# Altium PCB Shield_v3.1.PcbDoc
Units mil, origin at the board's own origin, x right, y up, seen from the top; angles counter-clockwise.
Board outline 3190 x 4930 mil, 2 copper layers (Top Layer, Bottom Layer); 76 components, 64 nets, 322 pads, 75 vias.
Unrouted connection lines stored in the file: 34.
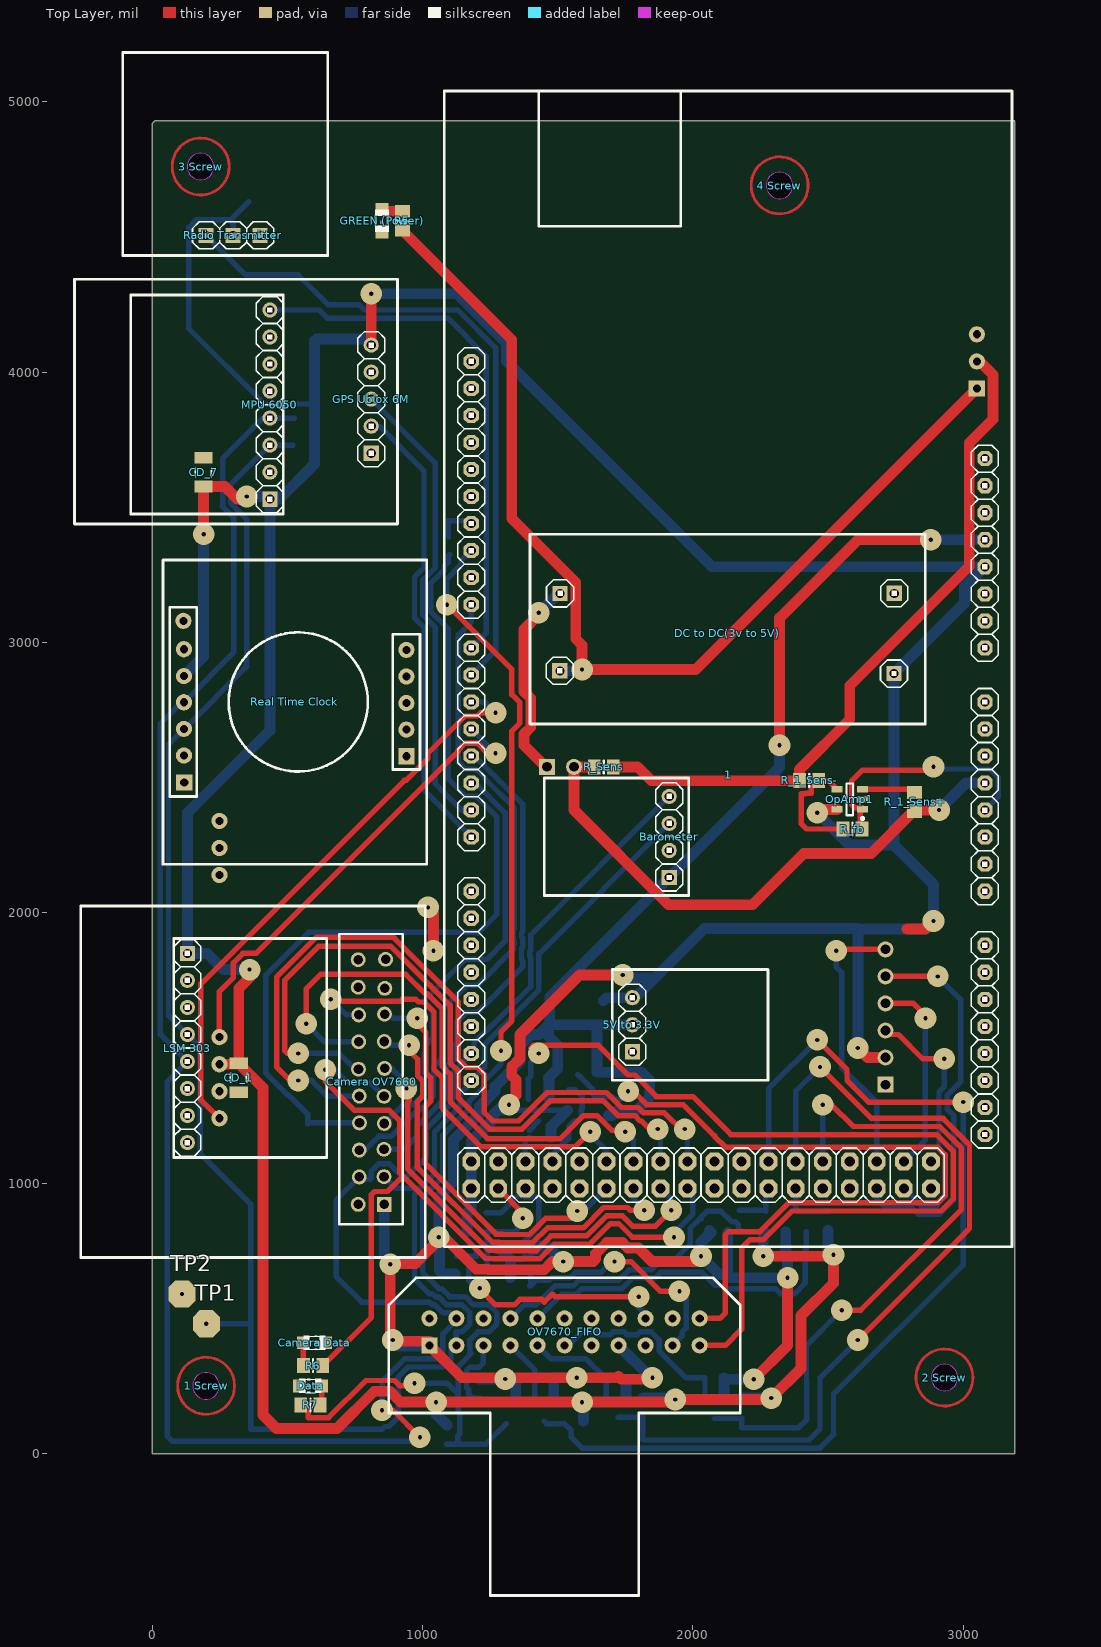
[diagram p0: Top Layer view]
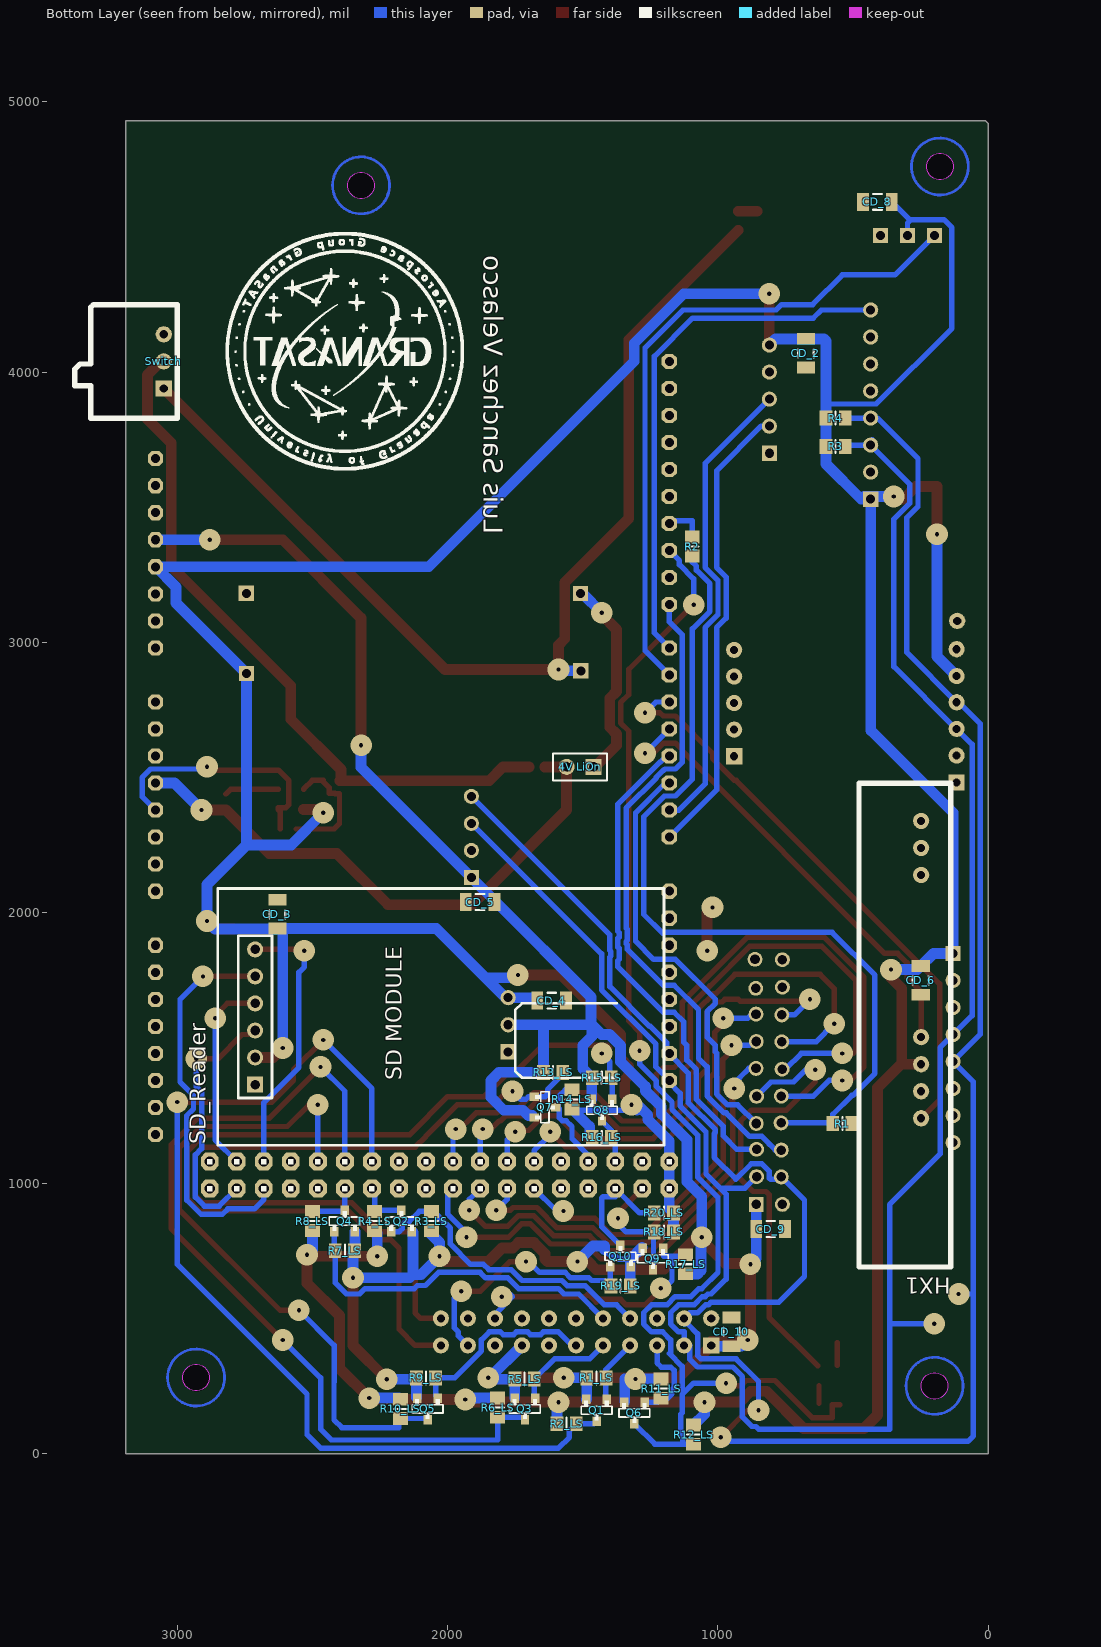
[diagram p1: Bottom Layer view, seen from below]

## Layer stack, top to bottom
Top Solder: solder mask 0.4, Solder Resist, Dk 3.5
Top Layer: signal copper 1.4
Dielectric1: dielectric 12.6, FR-4, Dk 4.8
Bottom Layer: signal copper 1.4
Bottom Solder: solder mask 0.4, Solder Resist, Dk 3.5

## Board outline
0,0 0,4920 10,4930 3190,4930 3190,0

## Design rules (kind name [scope] priority, off if disabled: settings)
AssemblyTestPointUsage [All] p1 off:
AssemblyTestpoint [All] p1 off: testpointundercomponent=TRUE minsize=40 maxsize=100 preferedsize=60 minholesize=0 maxholesize=40 preferedholesize=32 testpointgrid=1 usegrid=TRUE gridtolerance=0.01 allowsidetop=TRUE allowsidebottom=TRUE
Clearance [All] p1: gap=10
ComponentClearance [All] p1 off: gap=10 collisioncheckmode=3 verticalgap=100000 showdistances=FALSE
FabricationTestPointUsage TestPointUsage [All] p1 off: valid=0 allowmultiple=FALSE
FabricationTestpoint Testpoint [All] p1 off: side=3 testpointundercomponent=TRUE minsize=40 maxsize=100 preferedsize=60 minholesize=0 maxholesize=40 preferedholesize=32 testpointgrid=1 allowsidetop=TRUE allowsidebottom=TRUE usegrid=TRUE gridtolerance=0.01
Height [All] p1 off: minheight=0 maxheight=1000 prefheight=500
HoleSize [All] p1 off: absolutevalues=TRUE maxlimit=100 minlimit=1 maxpercent=80.000 minpercent=20.000
HoleToHoleClearance [All] p1 off: gap=10 allowstackedmicrovias=TRUE
LayerPairs [All] p1 off: enforce=TRUE
MatchedLengths I2C_length_diff [InNetClass('I2C')] p1: tolerance=500 checknetsindiffpair=FALSE checkdiffpairvsdiffpair=TRUE checkxsignals=TRUE checkothers=TRUE // I know it's useless, but i wanted to learn
MatchedLengths SD_TIME [All] p2 off: tolerance=1000 checknetsindiffpair=FALSE checkdiffpairvsdiffpair=TRUE checkxsignals=TRUE checkothers=TRUE
MinimumSolderMaskSliver [All] p1 off: minsoldermaskwidth=10
NetAntennae [All] p1 off: netantennaetolerance=0
PolygonConnect [All] p1: connectstyle=Relief reliefconductorwidth=10 reliefentries=4 polygonreliefangle="90 Angle" airgapwidth=10
RoutingVias RoutingVias_1 [(IsVia Or IsArc And Not InPoly) And IsFree Or IsVia And InAnyNet Or IsVia And InAnyComponent] p1: holewidth=28 width=50 viastyle="Through Hole" minholewidth=28 minwidth=50 maxholewidth=28 maxwidth=50
RoutingVias [All] p2: holewidth=15.75 width=80 viastyle="Through Hole" minholewidth=15.75 minwidth=80 maxholewidth=15.75 maxwidth=80
SilkToBoardRegionClearance [All] p1 off:
SilkToSilkClearance [All] p1 off: silktosilkclearance=10
SilkToSolderMaskClearance SilkscreenOverComponentPads [IsPad] p1 off: minsilkscreentomaskgap=10 clearancetoexposedcopper=TRUE
SolderMaskExpansion [All] p1: expansion=4
UnRoutedNet [All] p1 off:
UnpouredPolygon [All] p1 off:
Width [All] p1: maxlimit=40 minlimit=10 preferedwidth=20 checkconnectedcopper=TRUE
14 further rules are at their usual default settings.

## Classes and differential pairs
component class Modules2_v3: CD_6 CD_8 "LSM 303" "MPU 6050"
component class Leds: "Camera Data" Data "GREEN (Power)" R5 R6 R7
component class CurrentMeasure: OpAmp1 R_1_Sens+ R_1_Sens- R_fb
net class SD: SD_MOSI SD_MOSO SD_SCK
net class GPS: RX_GPS TX_GPS
net class CAMERA_CONN: HREF_CAM PCLK_CAM VSYNC_CAM XCLK_CAM
net class CAMERA_DATA: D2_CAM D3_CAM D4_CAM D5_CAM D6_CAM D7_CAM D8_CAM D9_CAM
net class POWER: 3.3V 3V 5V -3V GND
net class I2C: SCL SDA
component class Voltage_Level_Translator_v3: Q1 Q2 Q3 Q4 Q5 Q6 Q7 Q8 Q9 Q10 R1_LS R2_LS R3_LS R4_LS R5_LS R6_LS R7_LS R8_LS R9_LS R10_LS R11_LS R12_LS R13_LS R14_LS R15_LS R16_LS R17_LS R18_LS R19_LS R20_LS
component class Power_micro_v3: 1 "1 Screw" "2 Screw" "3 Screw" "4 Screw" "4V LiOn" "5V to 3.3V" "DC to DC(3v to 5V)" R1 R2 R3 R4 R_Sens Switch TP1 TP2
component class Modules_v3: Barometer CD_1 CD_2 CD_3 CD_4 CD_5 CD_7 "GPS Ublox 6M" HX1 "Radio Transmitter" "Real Time Clock" SD_Reader
component class Cameras_v3: "Camera OV7660" CD_9 CD_10 OV7670_FIFO

## Components (designator, comment, footprint, x,y, rotation, side; value= is the part's Value field where it differs from the comment)
1 "Arduino_Mega" "Footprint-ArduinoMega-headers - named" 1180,4040 r270 top
"1 Screw" "M3 screw" M3SCREW 200,250 r90 top
"2 Screw" "M3 screw" M3SCREW 2930,280 r0 top
"3 Screw" "M3 screw" M3SCREW 180,4760 r90 top
"4 Screw" "M3 screw" M3SCREW 2320,4690 r0 top
"4V LiOn" "Battery" "BAT-2 - duplicate" 1510,2540 r0 bottom
"5V to 3.3V" "ReguladorASM1117" "1X03 - ReguladorASM1117 - horizontal" 1775,1585 r270 top
Barometer "BMP180" "1X08 - BMP180" 1910,2280 r270 top
"Camera Data" "LED4" CHIP-LED0805_GREEN 600,410 r270 top
"Camera OV7660" "camera_OV7660" "CAMERA_OV7660 - high - Pins" 810,1400 r270 top
CD_1 "" C1206 320,1390 r90 top
CD_2 "Cap Semi" C1206 675,4070 r90 bottom
CD_3 "Cap Semi" C1206 2630,1995 r270 bottom
CD_4 "Cap Semi" C1206 1615,1675 r0 bottom
CD_5 "Cap Semi" C1206 1880,2040 r180 bottom
CD_6 "Cap Semi" C1206 250,1750 r90 bottom
CD_7 "Cap Semi" C1206 190,3630 r270 top
CD_8 "Cap Semi" C1206 410,4630 r180 bottom
CD_9 "Cap Semi" C1206 805,830 r0 bottom
CD_10 "Cap Semi" C1206 950,450 r270 bottom
Data "LED4" CHIP-LED0805_GREEN 585,250 r90 top
"DC to DC(3v to 5V)" "Step_up_Mt3608" Step_up_Mt3608 2785,3080 r90 top
"GPS Ublox 6M" "GPS_header_5" "1X08 - GPS_ublox - High" 810,3900 r270 top
"GREEN (Power)" "LED4" CHIP-LED0805_GREEN 850,4560 r180 top
HX1 "HX1-144.8" HX1-144.8 438.43,2440 r270 bottom
"LSM 303" "LSM303DLHC" "1X08 - LSM303" 150,1500 r90 top
"MPU 6050" "MPU6050" "1X08 - MPU6050" 435,4230 r270 top
OpAmp1 "MCP6H01T" SOT95P245X110-5N 2580,2420 r180 top
OV7670_FIFO "OV7670_FIFO" OV7670_FIFO_SIDE_PINS 975,550 r180 top
Q1 "BSS123" SOT-23 1450,160 r180 bottom
Q2 "BSS123" SOT-23 2170,860 r0 bottom
Q3 "BSS123" SOT-23 1715,165 r180 bottom
Q4 "BSS123" SOT-23 2380,860 r0 bottom
Q5 "BSS123" SOT-23 2075,165 r180 bottom
Q6 "BSS123" SOT-23 1310,150 r180 bottom
Q7 "BSS123" SOT-23 1640,1280 r90 bottom
Q8 "BSS123" SOT-23 1430,1270 r180 bottom
Q9 "BSS123" SOT-23 1241.5,720 r180 bottom
Q10 "BSS123" SOT-23 1360,730 r0 bottom
R1 "4.7k" 0805 540,1220 r0 bottom
R1_LS "4.7k" 0805 1450,280 r0 bottom
R2 "4.7k" 0805 1095,3355 r90 bottom
R2_LS "4.7k" 0805 1560,110 r0 bottom
R3 "4.7k" 0805 565,3725 r0 bottom
R3_LS "4.7k" 0805 2060,860 r270 bottom
R4 "4.7k" 0805 565,3830 r0 bottom
R4_LS "4.7k" 0805 2270,860 r270 bottom
R5 "4.7k" 0805 925,4560 r90 top
R5_LS "4.7k" 0805 1715,275 r0 bottom
R6 "4.7k" 0805 595,325 r0 top
R6_LS "4.7k" 0805 1815,170 r90 bottom
R7 "4.7k" 0805 585,180 r0 top
R7_LS "4.7k" 0805 2380,750 r180 bottom
R8_LS "4.7k" 0805 2500,860 r270 bottom
R9_LS "4.7k" 0805 2080,280 r0 bottom
R10_LS "4.7k" 0805 2175,165 r90 bottom
R11_LS "4.7k" 0805 1210,240 r90 bottom
R12_LS "4.7k" 0805 1090,70 r90 bottom
R13_LS "4.7k" 0805 1610,1410 r0 bottom
R14_LS "4.7k" 0805 1540,1310 r270 bottom
R15_LS "4.7k" 0805 1430,1390 r0 bottom
R16_LS "4.7k" 0805 1430,1170 r0 bottom
R17_LS "4.7k" 0805 1120,700 r270 bottom
R18_LS "4.7k" 0805 1200,820 r180 bottom
R19_LS "4.7k" 0805 1360,620 r180 bottom
R20_LS "4.7k" 0805 1200,890 r180 bottom
R_1_Sens+ "4.7k" 0805 2820,2410 r90 top
R_1_Sens- "4.7k" 0805 2430,2490 r0 top
R_fb "4.7k" 0805 2590,2310 r0 top
R_Sens "4.7k" 0805 1670,2540 r0 top
"Radio Transmitter" "FS1000A_radio" "1X03 - FS1000A_radio" 300,4505 r0 top
"Real Time Clock" "Tiny_RTC" TinyRTC 940,2580 r180 top
SD_Reader "SD_Reader" SD_module_front 1200,2090 r0 bottom
Switch "SW HDR1x3" SWITCH3x1 3080,3840 r90 bottom
TP1 "TestPoint" TestPoint 200,480 r0 top
TP2 "TestPoint" TestPoint 110,590 r0 top

## Footprints (in the part's own frame and the unit in brackets; to place one, negate y for a bottom-side part, rotate by r counter-clockwise, add the part's x,y. Pads: shape width x height; smd on the part's side, far side on the other; paste and mask are expansions set on the pad)
"1X03 - FS1000A_radio" [mm]
  rect 1.422x1.422 hole 0.85: DATA(-2.565,0.025) GND(2.515,0.025) VCC(-0.025,0.025)
  silkscreen extent -10.4,-1.87 8.88,17.2, body extent -10.68,-2.48 9.33,17.52, height 11.22
"1X03 - ReguladorASM1117 - horizontal" [mm]
  rect 1.422x1.422 hole 0.85: GND(2.515,0.025)
  round 1.422 hole 0.85: VIN(-2.565,0.025) VOUT(-0.025,0.025)
  silkscreen extent -5.22,-1.87 5.17,12.77, body extent -5,-1.45 5,12.55, height 6.06
"1X08 - BMP180" [mil]
  rect 56x56 hole 33.46: 3V3(149.21,2.28)
  round 56 hole 33.46: GND(49.21,2.28) SCL(-50.79,2.28) SDA(-150.79,2.28)
  silkscreen extent -219,-461 216,75, body extent -206,-447 208,65, height 298
"1X08 - GPS_ublox - High" [mil]
  round 56 hole 33.46: GND(-100,0) RX(100,0) TX(0,0) VCC(-200,0)
  rect 56x56 hole 33.46: PPS(200,0)
  silkscreen extent -444,-1097 462,97, body extent -449,-1109 469,101, height 456
"1X08 - LSM303" [mil]
  round 56 hole 33.46: DRDY(-350,20) GND(150,20) INT1(-250,20) INT2(-150,20) SCL(50,20) SDA(-50,20) VIN(250,20)
  rect 56x56 hole 33.46: VCC(350,20)
  silkscreen extent -405,-495 405,70, body extent -405,-492 400,79, height 277
"1X08 - MPU6050" [mil]
  round 56 hole 33.46: AD0(100,0) GND(600,0) INT(0,0) SCL(500,0) SDA(400,0) XCL(200,0) XDA(300,0)
  rect 56x56 hole 33.46: VCC(700,0)
  silkscreen extent -55,-515 755,50, body extent -44,-553 756,47, height 267
0805 [mm]
  rect 1.2x1.4 smd: 1(-0.9,0) 2(0.9,0)
  silkscreen extent 0,-0.6 0,0.6, body extent -1,-0.62 1,0.63, height 0.78
"BAT-2 - duplicate" [mm] "Battery; 2 Leads"
  rect 1.5x1.5 hole 0.9: GND(-1.27,0)
  round 1.5 hole 0.9: VCC(1.27,0)
  silkscreen extent -2.54,-1.27 2.54,1.27, body extent -6.8,-51.9 27.2,-1.9, height 5.08
C1206 [mm] "Chip Capacitor, Body 3.2x1.6mm, IPC High Density"
  rect 1.1x1.7 smd: 1(-1.35,0) 2(1.35,0)
  silkscreen extent -0.4,-0.75 0.4,0.75, body extent -1.7,-0.9 1.7,0.9, height 1.3
"CAMERA_OV7660 - high - Pins" [mm] "Connector; Header; 3x2 Position"
  rect 1.4x1.4 hole 0.9: 3V3(12.15,1.225)
  round 1.4 hole 0.9: D0(-5.65,-1.175) D1(-5.725,1.25) D2(-3.125,-1.175) D3(-3.15,1.225) D4(-0.55,-1.2) D5(-0.625,1.25) D6(1.975,-1.125) D7(2,1.2) GND(12.15,-1.225) HREF(7.05,-1.125) PCLK(4.55,1.225) PWDN(-8.15,1.275) RSV1(-8.25,-1.225) RSV2(-10.875,1.35) RSV3(-10.835,-1.225) SCL(9.55,1.2) SDA(9.575,-1.125) VSYNC(6.975,1.2) XCLK(4.5,-1.1)
  silkscreen extent -15.88,-27.3 17.14,5.08, body extent -15.2,-26.95 16.8,5.05, height 30.69
CHIP-LED0805_GREEN [mm]
  rect 1.2x1.2 smd: 1(0,-1.05) 2(0,1.05)
  silkscreen extent -0.68,-1.05 0.68,1.05, body extent -0.62,-1.01 0.62,1.01, height 1.1
"Footprint-ArduinoMega-headers - named" [mil]
  oct 56x56 hole 33.46: 3V3(660,1900) 5V_TL(760,1900) A0(1260,1900) A1(1360,1900) A2(1460,1900) A3(1560,1900) A4(1660,1900) A5(1760,1900) A6(1860,1900) A7(1960,1900) A8(2160,1900) A9(2260,1900) A10(2360,1900) A11(2460,1900) A12(2560,1900) A13(2660,1900) A14(2760,1900) A15(2860,1900) AREF(200,0) D0(1760,0) D1(1660,0) D2(1560,0) D3(1460,0) D4(1360,0) D5(1260,0) D6(1160,0) D7(1060,0) D8(900,0) D9(800,0) D10(700,0) D11(600,0) D12(500,0) D13(400,0) D14(1960,0) D15(2060,0) D16(2160,0) D17(2260,0) D18(2360,0) D19(2460,0) D20(2560,0) D21(2660,0) EMPTY(360,1900) GND_TLB(960,1900) GND_TLT(860,1900) GND_TR(300,0) IOREF(460,1900) RESET(560,1900) SCL(0,0) SDA(100,0) VIN(1060,1900)
  oct 66x66 hole 37.4: 5V_BB(3060,0) 5V_BT(2960,0) D22(2960,100) D23(3060,100) D24(2960,200) D25(3060,200) D26(2960,300) D27(3060,300) D28(2960,400) D29(3060,400) D30(2960,500) D31(3060,500) D32(2960,600) D33(3060,600) D34(2960,700) D35(3060,700) D36(2960,800) D37(3060,800) D38(2960,900) D39(3060,900) D40(2960,1000) D41(3060,1000) D42(2960,1100) D43(3060,1100) D44(2960,1200) D45(3060,1200) D46(2960,1300) D47(3060,1300) D48(2960,1400) D49(3060,1400) D50(2960,1500) D51(3060,1500) D52(2960,1600) D53(3060,1600) GND_BB(3060,1700) GND_BT(2960,1700)
  silkscreen extent -1000,-100 3275,2000, body extent -988,-98 3262,2002, height 620
HX1-144.8 [mil]
  round 60 hole 30: 1(100,190) 2(200,190) 3(300,190) 4(900,190) 5(1000,190) 6(1100,190) 7(1200,190)
  silkscreen extent -40,-40 1750,300, body extent 0,5 1693,202, height 571
M3SCREW [mil]
  round 60 hole 100.22: 0(0,0)
  Top Layer circle w10: c0.46,1 r105.39
  Bottom Layer circle w10: c0.46,1 r105.39
  Keep-Out Layer board cut-out: -48.75,1 -48.75,-3.85 -46.86,-13.35 -43.15,-22.31 -37.76,-30.37 -30.91,-37.23 -22.85,-42.61 -13.89,-46.32 -4.38,-48.21 0.46,-48.21 5.31,-48.21 14.82,-46.32 23.77,-42.61 31.83,-37.23 38.69,-30.37 44.07,-22.31 47.78,-13.35 49.68,-3.85 49.68,1 49.68,5.85 47.78,15.35 44.07,24.31 38.69,32.37 31.83,39.23 23.77,44.61 14.82,48.32 5.31,50.21 0.46,50.21 -4.38,50.21 -13.89,48.32 -22.85,44.61 -30.91,39.23 -37.76,32.37 -43.15,24.31 -46.86,15.35 -48.75,5.85 -48.75,1
  body extent -125,-125 125,125, height 16
OV7670_FIFO_SIDE_PINS [mil]
  rect 60x60 hole 30: 3V3(-50,150)
  round 60 hole 30: D0(-650,50) D1(-650,150) D2(-550,50) D3(-550,150) D4(-450,50) D5(-450,150) D6(-350,50) D7(-350,150) GND(-50,50) HREF(-250,50) OE(-950,50) PWDN(-750,50) RCK(-850,50) RRST(-1050,50) RST(-750,150) SIOC(-150,150) SIOD(-150,50) STR(-850,150) VSYNC(-250,150) WR(-950,150) WRST(-1050,150)
  silkscreen extent -1200,-100 100,1075, body extent -1180,0 80,1077, height 1417
SD_module_front [mm]
  round 1.5 hole 0.9: CLK(38.41,8.26) CS(38.41,5.72) MOSI(38.41,10.8) MOSO(38.41,13.34) VCC(38.41,15.88)
  rect 1.5x1.5 hole 0.9: GND(38.41,18.42)
  silkscreen extent 0,0 41.91,24.13, body extent 0,-0.06 42,23.94, height 6.79
SOT95P245X110-5N [mm] "SOT23, 5-Leads, Body 2,90x2,45mm, Pitch 0,95mm, IPC Medium Density"
  rect 1x0.6 smd: 1(-1.2,0.95) 2(-1.2,0) 3(-1.2,-0.95) 4(1.2,-0.95) 5(1.2,0.95)
  silkscreen extent -1.33,-1.5 0.3,1.92, body extent -0.7,-1.5 0.7,1.5, height 1.1
SOT-23 [mil]
  rect 31x35 smd: 1(1,-40) 2(-37,40) 3(39,40)
  silkscreen extent -56,-37 58,37, body extent -57,-55 57,55, height 51
Step_up_Mt3608 [mm]
  rect 1.422x1.422 hole 0.85: VIN+(-4.69,32.45) VIN-(2.575,32.425) VOUT+(-4.95,1.05) VOUT-(2.59,1.025)
  silkscreen extent -9.7,-1.87 8.13,35.25, body extent -9.55,-1.7 7.95,35.3, height 10.87
SWITCH3x1 [mil]
  rect 60x60 hole 30: 1(100,-30)
  round 60 hole 30: 2(200,-30) 3(300,-30)
  silkscreen extent -10,-80 410,300, body extent 3,-36 397,257, height 98
TestPoint [mil]
  oct 100x100 smd: 1(0,0)
TinyRTC [mil]
  round 60 hole 30: BAT(825,-500) DS2(822.83,-1.97) GND(0,-392.72) GND2(822.83,-395.08) SCL(0,-195.87) SCL2(822.83,-100.39) SDA(0,-97.44) SDA2(822.83,-198.82) VCC(0,-294.29) VCC2(822.83,-295.67)
  rect 60x60 hole 30: DS(0,1) SQ(821.85,98.42)
  silkscreen extent -75,-725 900,400, body extent -80,-708 905,395, height 480

## Part data
"4V LiOn": "Multicell Battery"
"Camera Data" Data "GREEN (Power)": library part LED3, "Typical BLUE SiC LED"
CD_1: library part "Cap Semi", "Capacitor (Semiconductor SIM Model)"
CD_2 CD_3 CD_4 CD_5 CD_6 CD_7 CD_8 CD_9 CD_10: "Capacitor (Semiconductor SIM Model)"
"LSM 303": library part LSMsimple, "Header, 8-Pin"
"MPU 6050": library part MPUsimple, "Header, 8-Pin"
OV7670_FIFO: library part OV7670_FIFO_FRONT_PINS
Q1 Q2 Q3 Q4 Q5 Q6 Q7 Q8 Q9 Q10: library part MOSFET-N_MOD, "N-Channel MOSFET"
R1 R1_LS R2 R2_LS R3 R3_LS R4 R4_LS R5 R5_LS R6 R6_LS R7 R7_LS R8_LS R9_LS R10_LS R11_LS R12_LS R13_LS R14_LS R15_LS R16_LS R17_LS R18_LS R19_LS R20_LS R_1_Sens+ R_1_Sens- R_fb R_Sens: library part 0805RESISTOR
SD_Reader: "SD module reader"

## Via types
v1: diameter 80, hole 15.75, Top Layer to Bottom Layer, 75 vias

## Nets (pads, with @x,y where several pads share a name; then routed paths per layer and width w, separated by ;. In a path a pad name is that pad's centre, name@x,y a point inside that pad or via, vN(x,y) a via of type N, cw(c..) or ccw(c..) an arc to the next point about the centre after c; other vN are vias at no path point)
3.3V: 1.3V3 "5V to 3.3V.VOUT" "Camera OV7660.3V3" Barometer.3V3 CD_5.2 CD_9.2 CD_10.2 OV7670_FIFO.3V3 OV7670_FIFO.RST Q1.2 Q2.2 Q3.2 Q4.2 Q5.2 Q6.2 Q7.2 Q8.2 Q9.2 Q10.2 R1_LS.2 R3_LS.2 R5_LS.2 R7_LS.2 R9_LS.2 R11_LS.2 R13_LS.2 R15_LS.2 R17_LS.2 R19_LS.2 | length 10615.3
  Top Layer w40: v1@880,425 v1(880,700) ; v1@883.15,703.15 973.15,703.15 v1@1070,800 ; v1@890,415 1025,415 OV7670_FIFO.3V3 1145,280 ; v1(1060,800) v1@1070,800 ; 1147.78,280 v1(1570,280) 1720,280 1725,285 1735,275 v1@1850,275 ; v1(2030,730) 2010,710 1848.99,710 1798.99,760 1758.99,760 1738.99,780 1681.01,780 1640,738.99 1640,718.99 1631.01,710 v1(1520,710) 1480,710 1450,680 1241.98,680 1240.49,681.49 1198.51,681.49 1080,800 v1@1070,800 ; v1(2225,275) 2350,400 v1(2350,650) ; v1(2320,2620) 2320,3090 2610,3380 v1(2880,3380)
  Bottom Layer w20: 1324.57,718.43 1366.15,718.43 1375.22,727.5 1393.93,727.5 1420,753.57
  Bottom Layer w40: 858.23,921.65 858.23,721.77 v1(880,700) ; v1(890,420) 913.15,396.85 CD_10.2 1021.85,396.85 OV7670_FIFO.3V3 ; v1(1060,800) 1060,951.01 1114.14,1005.15 1114.14,1160.59 1210,1256.45 1210,1283.15 1268,1341.15 1268,1357.04 1360,1449.04 1360,1508.99 1401.01,1550 1430,1550 1465.43,1585.43 ; v1@1062.44,771.48 1062.44,677.56 1075.43,664.57 R17_LS.2 ; R11_LS.2 v1(1305.43,275.43) 1344.57,275.43 Q6.2@1344.57,192.43 ; Q9.2@1280.75,762.25 1324.57,718.43 1324.57,650 ; 1420,753.57 1420,767.5 1462.5,767.5 v1(1520,710) ; R15_LS.2 1500,1424.57 1500,1508.99 1465.43,1543.56 1465.43,1585.43 ; Q8.2 R15_LS.2@1467,1388.43 ; Q1.2 1485.43,201.57 R1_LS.2 v1(1570,280) ; 1645.43,1581.42 R13_LS.2 1810,1410 1840,1380 1840,1317.78 1792.22,1270 1721.01,1270 1701,1250 Q7.2@1687,1250 ; OV7670_FIFO.RST 1845,280 v1(1850,280) ; R5_LS.2 v1@1845,275 ; Q3.2 R5_LS.2@1752,273.43 ; 1775.98,1585.98 1474.02,1585.98 1470,1590 ; R3_LS.2 2067.07,817.5 2030,780.43 v1(2030,730) 2098.5,661.5 2128.5,661.5 ; Q5.2@2115.43,208.43 R9_LS.2 2120.43,275 v1(2225,275) ; Q2.2@2128.5,817.5 2128.5,661.5 ; v1(2320,2620) 2320,2538.5 Barometer.3V3 1824.17,2042.68 1470,1688.5 1470,1590 ; R7_LS.2@2340,745.43 2350,735.43 v1(2350,650) 2140,650 2128.5,661.5 ; Q4.2 2343,751.57 R7_LS.2 ; v1(2880,3380) 1.3V3 ; 1465.43,1585.43 1470,1590
3V: "DC to DC(3v to 5V).VIN+" R5.1 Switch.1 | length 3885.3
  Top Layer w40: R5.1 1330,4119.57 1330,3458.23 1566.42,3221.8 1566.42,3013.58 1590,2990 v1(1590,2900) 2010,2900 Switch.1 ; 1507.44,2895.35 1514.53,2888.27
  Bottom Layer w40: 1507.44,2895.35 1585.35,2895.35 v1(1590,2900)
5V: 1.5V_BB 1.5V_BT 1.5V_TL "5V to 3.3V.VIN" "DC to DC(3v to 5V).VOUT+" "GPS Ublox 6M.VCC" "LSM 303.VCC" "MPU 6050.VCC" "Radio Transmitter.VCC" "Real Time Clock.VCC2" CD_1.2 CD_2.2 CD_3.2 CD_4.2 CD_6.2 CD_7.2 CD_8.2 HX1.5 OpAmp1.5 R2_LS.2 R3.2 R4.2 R4_LS.2 R6_LS.2 R8_LS.2 R10_LS.2 R12_LS.2 R14_LS.2 R16_LS.2 R18_LS.2 R20_LS.2 SD_Reader.VCC | length 19080.9
  Top Layer w40: v1(190,3400) CD_7.2 268.15,3576.85 315,3530 325,3540 v1(350,3540) ; HX1.5 CD_1.2@323.15,1440 ; v1(360,1790) 360,1760 320,1720 CD_1.2 CD_1.2@323.15,1440 ; 810,4100 v1(810,4290) ; v1(1320,1290) 1320,1300 1345,1325 1345,1382.78 1330,1397.78 1330,1431.01 1360,1461.01 1360,1550 1580,1770 v1(1740,1770) ; v1(2260,730) 2514.57,730 v1(2520,735.43) 2520,630 2400,510 2400,315 v1(2290,205) 2285,200 v1(1935,200) 1925,210 1905,190 v1(1590,190) v1(1050,190) 918.99,190 878.99,230 821.01,230 683.45,92.44 460,92.44 410,142.44 410,1353.15 CD_1.2@323.15,1440 ; v1(2460,2370) 2472.6,2382.6 OpAmp1.5 ; v1(2610,1500) 2645.2,1464.8 SD_Reader.VCC ; 2792.2,1940.2 2860.2,1940.2 v1(2890,1970)
  Bottom Layer w20: 299.02,4505.98 299.02,4550.98 285.86,4564.14 ; CD_8.2 290.99,4564.14 285.86,4564.14 ; 600.43,3882 415.12,3882 135,4162.12 135,4535 164.14,4564.14 285.86,4564.14 ; v1@1300,1270 1535.43,1270 R14_LS.2
  Bottom Layer w40: 117.17,2875.67 190,2948.5 v1(190,3400) ; v1(350,3540) 460,3540 470,3530 600.43,3660.43 R3.2 R4.2 600.43,3882 ; v1(360,1790) 263.15,1790 CD_6.2 203.15,1850 130,1850 130,2370 435,2675 435,3530 ; 600.43,3890 600.43,4115.43 608.15,4123.15 CD_2.2 786.85,4123.15 810,4100 ; v1(810,4290) 1126.57,4290 1310,4106.57 1310,4040 2070,3280 1.5V_TL 3005,3205 3005,3146.46 2743.66,2885.12 2743.66,2251.34 ; v1(1050,190) 1050,145.43 R12_LS.2 ; R18_LS.2 R20_LS.2 1180,905.43 1.5V_BB 1.5V_BT 1180,1155.74 1260,1235.74 1260,1251.93 1298.07,1290 v1(1320,1290) v1@1300,1270 ; R16_LS.2@1474.5,1170 1474.5,1209.07 R14_LS.2@1535.43,1270 ; v1(1590,190) 1590,170 1595.43,164.57 R2_LS.2@1595.43,120 ; CD_4.2 1679.13,1685.98 1775.98,1685.98 1785.98,1685.98 1860,1760 ; v1(1740,1770) 1750,1760 1860,1760 ; R6_LS.2 v1@1929.57,205.43 ; R10_LS.2@2179.57,205 v1(2290,205) ; v1(2260,730) 2260,814.57 R4_LS.2@2265.43,820 ; v1(2460,2370) 2578.66,2251.34 2743.66,2251.34 ; v1@2500,755.43 R8_LS.2 ; v1(2610,1500) CD_3.2@2610,1921.85 ; CD_3.2@2610,1941.85 2041.85,1941.85 1860,1760 ; CD_3.2@2633.35,1940.2 2860.2,1940.2 v1(2890,1970) 2890,2105 2743.66,2251.34
-3V: "4V LiOn.GND" "DC to DC(3v to 5V).VIN-" | length 754.6
  Top Layer w20: v1@1430,3102.95 v1(1430,3110)
  Top Layer w40: v1@1430,3102.95 1375,3047.95 1375,2818.85 1400,2793.85 1400,2686.15 1375,2661.15 1375,2620 1455,2540
  Bottom Layer w20: 1501.38,3181.38 1508.42,3181.38
  Bottom Layer w40: v1(1430,3110) 1501.38,3181.38
D0_L: OV7670_FIFO.D0
D1_L: OV7670_FIFO.D1
D2_CAM: 1.D30 "Camera OV7660.D0" | length 1721.2
  Top Layer w20: v1(660,1680) 640,1680 632.95,1672.95 918.1,1672.95 925.15,1680 974.85,1680 984.85,1670 1004.85,1670 1042,1632.85 1042,1420.44 1071.97,1390.46 1071.97,1278.03 1215,1135 1565,1135 v1(1620,1190)
  Bottom Layer w20: v1(660,1680) 717.56,1622.44 763.74,1622.44 ; v1(1620,1190) 1620,1180 1680,1120 1.D30
D2_L: OV7670_FIFO.D2
D3_CAM: 1.D31 "Camera OV7660.D1" | length 1538.3
  Top Layer w20: v1(980,1610) 980,1590 1012,1558 1012,1408.01 1030,1390.01 1030,1302.72 1010,1282.72 1010,1072.22 1270.72,811.49 1294.34,811.49 1295.83,810 1394.85,810 1454.85,870 v1@1570,870 ; v1@1570,874.06 1571.73,875.79 v1(1571.73,897)
  Bottom Layer w20: 874.61,1625.39 890,1610 v1(980,1610) ; v1(1571.73,897) 1597,897 1600,900 1.D31
D3_H: 1.D46 Q5.1 R10_LS.1 | length 2456.4
  Top Layer w20: v1(2480,1290) 2513,1290 2593.28,1209.72 2912.92,1209.72 2993,1129.64 2993,903 2620,530 v1(2550,530)
  Bottom Layer w20: Q5.1@2078.57,129.57 R10_LS.1 ; R10_LS.1@2180,130 2180,95.47 2391.3,95.47 2420.31,124.48 2420.31,265 2420,265.31 2420,400 v1(2550,530) ; 1.D46 v1(2480,1290)
D3_L: OV7670_FIFO.D3 Q5.3 R9_LS.1 | length 718
  Bottom Layer w20: OV7670_FIFO.D3 1540,400 1590,450 1645.71,450 1655.71,440 1694.29,440 1704.29,450 1745.71,450 1755.71,440 1794.29,440 1804.29,450 1845.71,450 1875,420.71 1875,379.29 1974.29,280 R9_LS.1 Q5.3@2044.57,213.57
D4_CAM: 1.D32 "Camera OV7660.D2" | length 2334.1
  Top Layer w20: v1(570,1590) 570,1720 622.36,1772.36 742.07,1772.36 937.64,1772.36 1010,1700 1017.28,1700 1072,1645.28 1072,1432.86 1102,1402.86 1102,1302.86 1239.86,1165 1510.15,1165 1595.15,1250 1644.85,1250 1700,1194.85 1765.15,1194.85 1740,1220 1737.78,1220 1717.78,1200 1727.78,1190 v1(1750,1190)
  Bottom Layer w20: v1(570,1590) 636.97,1523.03 763.74,1523.03 ; v1(1750,1190) 1730,1190 1740,1200 1780,1160 1.D32
D4_H: 1.D45 Q4.1 R8_LS.1 | length 193.4
  Bottom Layer w20: Q4.1 1.D45@2381,979 ; Q4.1@2385.57,895.43 R8_LS.1
D4_L: OV7670_FIFO.D4 Q4.3 R7_LS.1 | length 1296.6
  Bottom Layer w20: OV7670_FIFO.D4 1515,590 1569.71,590 1589.71,610 1737.28,610 1777.28,650 1860,650 1880,670 2033.43,670 2081.93,621.5 2111.93,621.5 2123.43,610 2305.15,610 2325.15,590 2374.85,590 2415.43,630.58 R7_LS.1 ; R7_LS.1@2419,753.57 Q4.3
D5_CAM: 1.D33 "Camera OV7660.D3" | length 1675.5
  Top Layer w20: v1(950,1510) 950,1490 982,1458 982,1395.58 1000,1377.58 1000,1320 980,1300 980,1059.79 1258.29,781.49 1281.91,781.49 1283.41,780 1407.28,780 1462.28,835 1594.58,835 1669.58,910 1757.99,910 1767.99,900 v1(1820,900)
  Bottom Layer w20: 870,1524.02 884.02,1510 v1(950,1510) ; 1.D33 1780,940 v1(1820,900)
D5_H: 1.D44 Q3.1 R6_LS.1 | length 3188.2
  Top Layer w20: v1(2470,1430) 2660.28,1239.72 2925.34,1239.72 3023,1142.06 3023,833 v1(2610,420)
  Bottom Layer w20: Q3.1@1723.57,134.57 R6_LS.1 1815,50 2430,50 2470,90 2470,280 v1(2610,420) ; 1.D44 2380,1340 v1(2470,1430)
D5_L: OV7670_FIFO.D5 Q3.3 R5_LS.1 | length 372.8
  Bottom Layer w20: OV7670_FIFO.D5 1475,350 1604.57,350 R5_LS.1 Q3.3@1679.57,208.57
D6_CAM: 1.D34 "Camera OV7660.D4" | length 2692.4
  Top Layer w20: v1(540,1480) 500,1480 490,1490 490,1750 615.71,1875.71 882.85,1875.71 1028.56,1730 1029.71,1730 1102,1657.71 1102,1445.29 1132,1415.29 1132,1315.29 1247.29,1200 1367.28,1200 1472.78,1305.5 1667.22,1305.5 1722.72,1250 1784.85,1250 1804.85,1230 1810,1230 1840,1200 v1(1870,1200) ; 1.D34 1.D34@1880,1084.85
  Bottom Layer w20: v1(540,1480) 691.65,1480 750,1421.65 762.76,1421.65 ; v1(1870,1200) 1870,1174.85 1880,1184.85 1.D34
D6_H: 1.D43 Q2.1 R4_LS.1 | length 183.1
  Bottom Layer w20: Q2.1 R4_LS.1@2265.43,900 ; R4_LS.1 2270,970 1.D43
D6_L: OV7670_FIFO.D6 Q2.3 R3_LS.1 | length 1125.3
  Bottom Layer w20: OV7670_FIFO.D6 1375,550 1420,550 1490,620 1557.28,620 1577.28,640 1724.85,640 1764.85,680 1847.57,680 1867.57,700 1914.85,700 1990,775.15 1990,834.03 2024.16,868.19 2030,868.19 2030,874.03 2051.4,895.43 R3_LS.1 2104.57,895.43 2142.5,857.5 2156.78,857.5 2168.5,845.78 2168.5,831.5 2180,820 Q2.3
D7_CAM: 1.D35 "Camera OV7660.D5" | length 1722.3
  Top Layer w20: v1@940,1360 950,1350 950,1305.76 ; 945,1300.76 945,1052.36 1245.87,751.49 1269.48,751.49 1270.98,750 1419.71,750 1474.71,805 1607.01,805 1682.01,880 1737.99,880 1777.99,840 1860,840 v1(1920,900)
  Bottom Layer w20: 859.21,1424.61 885.39,1424.61 920,1390 940,1370 v1(940,1350) ; 1.D35 1920,940 v1(1920,900)
D7_H: 1.D42 Q1.1 R2_LS.1 | length 3759.6
  Top Layer w20: v1(2460,1530) 2570,1420 2570,1380 2650,1300 v1(3000,1300)
  Bottom Layer w20: Q1.1 1459,110 R2_LS.1 1550,84.57 1550,60 1590,20 2470,20 2520,70 2520,220 3000,700 v1(3000,1300) ; 1.D42 2280,1350 v1(2460,1530)
D7_L: OV7670_FIFO.D7 Q1.3 R1_LS.1 | length 238.6
  Bottom Layer w20: OV7670_FIFO.D7 1414.57,310.43 R1_LS.1 1414.57,203.57 Q1.3
D8_CAM: 1.D36 "Camera OV7660.D6" | length 2982.7
  Top Layer w20: v1(540,1380) 510,1380 460,1430 460,1762.43 607.42,1909.85 891.13,1909.85 ; 895.28,1905.71 896.42,1905.71 1132,1670.13 1132,1457.72 1161.72,1428 1202.28,1428 1228,1402.28 1228,1261.72 1259.72,1230 1354.85,1230 1460.35,1335.5 1679.65,1335.5 1735.15,1280 1797.28,1280 1817.28,1260 1894.85,1260 1970,1184.85 v1(1970,1200)
  Bottom Layer w20: v1(540,1380) 589.24,1380 648.1,1321.14 764.61,1321.14 765.71,1322.24 ; v1(1970,1200) 1980,1190 1.D36
D9_CAM: 1.D37 "Camera OV7660.D7" R6.2 | length 3130
  Top Layer w20: R6.2 631.86,325 810.67,503.81 810.67,957.5 822.38,969.21 869.7,969.21 925.42,1024.94 ; v1(640,1420) 640,1376.6 746.6,1270 746.99,1270.4 875.96,1270.4 915,1231.35 915,1039.94 1233.44,721.49 1257.06,721.49 1258.55,720 1432.13,720 1487.13,775 1619.44,775 1694.44,850 1725.56,850 1775.56,800 v1(1930,800) ; 857.24,1321.26 868.74,1321.26
  Bottom Layer w20: v1(640,1420) 674.09,1420 720,1374.09 804.41,1374.09 857.24,1321.26 ; v1(1930,800) 1930,816.46 2000,886.46 2000,960 1.D37
DATA_RADIO: 1.D6 "Radio Transmitter.DATA" | length 2500.6
  Bottom Layer w20: 199.02,4505.98 345,4360 540,4360 650,4250 765.15,4250 785.15,4230 1130,4230 1270,4090 1270,2970 1.D6 1.D6@1180,2890
ENAB: 1.D4 HX1.4 | length 1748.6
  Top Layer w20: HX1.4 248.43,1708.43 300,1760 300,1814.85 335.15,1850 384.14,1850 1132,2597.86 1132,2602.28 1157.72,2628 1202.28,2628 1240.28,2590 v1(1270,2590)
  Bottom Layer w20: 1.D4 v1(1270,2590)
GND: 1.GND_BB 1.GND_TLB 1.GND_TLT "5V to 3.3V.GND" "Camera Data.2" "Camera OV7660.GND" "Camera OV7660.PWDN" "DC to DC(3v to 5V).VOUT-" "GPS Ublox 6M.GND" "GREEN (Power).2" "LSM 303.GND" "MPU 6050.GND" "Radio Transmitter.GND" "Real Time Clock.GND2" Barometer.GND CD_1.1 CD_2.1 CD_3.1 CD_4.1 CD_5.1 CD_6.1 CD_7.1 CD_8.1 CD_9.1 CD_10.1 Data.2 HX1.1 HX1.3 HX1.6 OpAmp1.2 OV7670_FIFO.GND OV7670_FIFO.PWDN R1.1 SD_Reader.GND | length 182.4
  Top Layer w40: v1(1020,2020) 1040,2000 v1(1040,1860)
  Bottom Layer w40: v1(1020,2020) v1@1030,2010
H_TX: 1.D5 HX1.7 | length 2149
  Top Layer w20: HX1.7 180,1308.43 180,1737.28 932.72,2490 939.28,2490 1020,2570.72 1020,2590.28 1157.72,2728 1202.28,2728 1214.28,2740 v1(1270,2740)
  Bottom Layer w20: 1.D5 1230,2780 v1(1270,2740)
HREF_CAM: 1.D8 "Camera OV7660.HREF" | length 2456
  Bottom Layer w20: 765.71,1122.44 787.44,1122.44 809.68,1144.68 809.68,1145.09 837.9,1173.31 883.31,1173.31 970,1260 977.28,1260 1040.15,1322.87 1040.15,1430.15 1072,1462 1072,1642.28 1161.72,1732 1202.28,1732 1335.86,1865.57 1335.86,1881.64 1340,1885.78 1340,1893.65 1335.86,1897.79 1335.86,1939.21 1340,1943.36 1340,2387.57 1228,2499.57 1228,2502.28 1202.28,2528 1199.57,2528 1195.57,2532 1157.72,2532 1132,2557.72 1132,3028 1180,3076 1.D8
HREF_L: OV7670_FIFO.HREF
INT: 1.D7 "MPU 6050.INT" | length 1972.3
  Bottom Layer w20: 435,4230 617.57,4230 647.57,4200 1093.43,4200 1235,4058.43 1235,3035 1.D7
Net1_D11: 1.D11 R2.2 | length 134.3
  Bottom Layer w20: R2.2 1095.43,3390.87 1095.43,3450 1.D11@1170,3450
"NetCamera Data_1": "Camera Data.1" R6.1 | length 84.1
  Top Layer w20: R6.1@558.66,325.91 558.66,410
NetData_1: Data.1 R7.2 | length 64.1
  Top Layer w20: R7.2@626.34,185.91 Data.1
"NetGREEN (Power)_1": "GREEN (Power).1" R5.2 | length 69.1
  Top Layer w40: 855.91,4595.43 R5.2
NetOpAmp1_3: OpAmp1.3 R_1_Sens+.2 | length 200.2
  Top Layer w20: OpAmp1.3 2802.13,2457.4 R_1_Sens+.2@2820,2439.53
NetOpAmp1_4: OpAmp1.4 R_1_Sens-.2 R_fb.1 | length 464.3
  Top Layer w20: R_1_Sens-.2@2459.53,2489.27 2459.53,2490 2500.16,2490 OpAmp1.4 ; R_1_Sens-.2 2438.19,2462.75 2438.19,2442.44 2417.87,2442.44 2415.43,2440 2400,2440 2400,2330 2420,2310 R_fb.1@2560.47,2310
OE: OV7670_FIFO.OE
PCLK_CAM: 1.D2 "Camera OV7660.PCLK" | length 1598.6
  Bottom Layer w20: 858.23,1220.87 927.36,1290 964.85,1290 1005,1330.15 1005,1480.15 1010,1485.15 1010,1510 1040,1540 1040,1634.85 1010,1664.85 1010,1680.28 1157.72,1828 1238,1828 1305,1895 1305,2370 1195,2480 1.D2
RCK_H: 1.D23 Q9.1 R18_LS.1 | length 507.3
  Top Layer w20: 1.D23 1370,890 v1(1370,870)
  Bottom Layer w20: R18_LS.1 1340,820 1400,880 1380,880 v1(1370,870) ; Q9.1@1241.5,680 1238.5,683 1238.5,810.93 R18_LS.1@1241.5,813.93
RCK_L: OV7670_FIFO.RCK Q9.3 R17_LS.1 | length 1045.7
  Top Layer w20: v1(1211.49,611.49) 1211.49,608.51 1270,550 1340,550 1360,570 1440,570 1450,560 1480,590 1490,580 v1(1800,580)
  Bottom Layer w20: R17_LS.1@1126.43,729 1170,729 ; Q9.3@1201,758.5 1201,730 1171,730 1170,729 ; v1(1211.49,611.49) 1198.51,611.49 1170,640 1170,729 ; v1(1800,580) 1780,580 1770,590 1760,580 1825,515 OV7670_FIFO.RCK
RRST_H: 1.D26 Q7.1 R14_LS.1 | length 356
  Bottom Layer w20: 1.D26 1480,1105 1540,1165 1540,1209.57 1561.37,1230.94 1575.84,1230.94 1587.56,1242.66 1587.56,1275.41 1587.65,1275.5 1590,1275.5 1590,1320 1564.57,1345.43 R14_LS.1
RRST_L: OV7670_FIFO.RRST Q7.3 R13_LS.1 | length 2933.2
  Top Layer w20: v1(1760,1340) 1779.71,1340 1829.71,1290 1964.85,1290 2080,1174.85 2080,1173 2120,1133 2904.78,1133 2933,1104.78 2933,955.22 2904.78,927 2354,927 2247,820 2130,820 2120,810 2120,520 2100,500 OV7670_FIFO.RRST
  Bottom Layer w20: R13_LS.1@1574.57,1401.4 1630,1345.97 1630,1329 1639,1320 1701,1320 1711,1310 1730,1310 v1(1760,1340)
RX_GPS: 1.D0 "GPS Ublox 6M.RX" | length 1719.8
  Bottom Layer w20: 810,3800 840,3800 1005,3635 1005,3277.38 970,3242.38 970,3090.29 1005,3055.29 1005,2455 1.D0
SCL: 1.D21 "Camera OV7660.SCL" "LSM 303.SCL" "MPU 6050.SCL" "Real Time Clock.SCL2" Barometer.SCL OV7670_FIFO.SIOC R3.1 TP1.1 | length 7882.5
  Bottom Layer w20: v1(200,480) 365,480 ; 430,3750 430,3725 290,3585 290,3515.15 349.13,3456.01 349.13,2910.87 118.66,2680.39 117.17,2680.39 60,2623.23 60,1620 130,1550 178,1502 178,1108 365,921 365,480 ; 435,3730 R3.1@519.57,3730 ; 857.24,1024.02 896.26,985 900.4,980.86 990.86,980.86 ; Barometer.SCL 1430,1848.5 1430,1714.85 1230,1514.85 1230,1430 1.D21 1180,1372.43 1140,1332.43 1140,1285.44 1044.14,1189.58 1044.14,1034.14 990.86,980.86 ; 365,480 365,90 850,90 860,100 874.85,100 910,135.15 910,235.15 910,284.85 945.15,320 1075.71,320 1105,349.29 1105,400 OV7670_FIFO.SIOC 1125,450 1145.71,450 1175,479.29 1175,520.71 1145.71,550 1088.14,550 1058.14,580 1047.57,580 1037.57,590 1025,590 970,645 970,960 990.86,980.86
SD_CS: 1.D50 SD_Reader.CS | length 1026.3
  Top Layer w20: v1(2530,1860) 2534.8,1864.8 SD_Reader.CS
  Bottom Layer w20: v1(2530,1860) 2530,1800 2550,1780 2550,1427.95 2680,1297.95 1.D50
SD_MOSI: 1.D52 SD_Reader.MOSI | length 739.5
  Top Layer w20: SD_Reader.MOSI 2815.2,1664.8 2860,1620 v1(2860,1610)
  Bottom Layer w20: 1.D52 2860,1160 v1(2860,1610)
SD_MOSO: 1.D53 SD_Reader.MOSO | length 984.6
  Top Layer w20: SD_Reader.MOSO 2727.01,1550 2760,1550 2850,1460 v1(2930,1460)
  Bottom Layer w20: 1.D53 2845,915 2900,915 2933,948 2933,1104.78 2910,1127.78 2910,1337.28 2930,1357.28 v1(2930,1460)
SD_SCK: 1.D51 SD_Reader.CLK | length 1456
  Top Layer w20: SD_Reader.CLK v1(2905.2,1764.8)
  Bottom Layer w20: 1.D51 2680,940 2715,905 2812.57,905 2832.57,885 2912.43,885 2965,937.57 2965,1250.15 2940,1275.15 2940,1324.85 2990,1374.85 2990,1680 v1(2905.2,1764.8)
SDA: 1.D20 "Camera OV7660.SDA" "LSM 303.SDA" "MPU 6050.SDA" "Real Time Clock.SDA2" Barometer.SDA OV7670_FIFO.SIOD R4.1 TP2.1 | length 8847.3
  Top Layer w20: v1(850,160) 890,160 v1(990,60)
  Bottom Layer w20: v1(110,590) 55,590 ; 435,3830 R4.1@525,3830 ; 440,3815 425,3830 410,3830 260,3680 260,3502.72 301.22,3461.5 301.22,2962.87 117.17,2778.82 108.82,2778.82 30,2700 30,1550 130,1450 55,1375 55,590 ; 765.71,1023.03 680,937.32 680,655 775,560 1025.15,560 1035.15,550 1045.71,550 1075.71,520 1105,520 OV7670_FIFO.SIOD 1125,480 1112.57,480 1075,442.43 1075,361.72 1063.28,350 986.72,350 986.52,350.2 932.92,350.2 850,267.28 v1(850,160) ; 773.74,1015 805.8,1015 809.68,1018.88 809.68,1043.72 837.54,1071.58 876.94,1071.58 933.52,1015 1014.14,1095.62 1014.14,1183.14 1010,1187.28 1010,1197.87 1110,1297.87 1110,1407.57 1180,1477.57 1.D20 1190,1490 1190,1519.72 1250.28,1580 1252.72,1580 1400,1727.28 1400,1836.08 1395.86,1840.22 1395.86,1856.79 1400,1860.93 1400,1918.5 Barometer.SDA ; v1(990,60) 975,45 75,45 55,65 55,590
STR: OV7670_FIFO.STR
TX_GPS: 1.D1 "GPS Ublox 6M.TX" | length 1733.2
  Bottom Layer w20: 810,3900 1047.44,3662.56 1047.44,3277.39 1000,3229.95 1000,3102.72 1047.44,3055.28 1047.44,2477.29 1144.73,2380 1.D1
V_SENS+: 1.A3 "4V LiOn.VCC" R_1_Sens+.1 R_Sens.1 | length 2091.8
  Top Layer w40: R_Sens.1@1640.47,2540 1560,2540 1560,2380 1910,2030 2220,2030 2410,2220 2659.53,2220 2820,2380.47 v1(2910.47,2380.47)
  Bottom Layer w40: v1(2910.47,2380.47) 3010,2480 1.A3
V_SENS-: R_1_Sens-.1 R_Sens.2 Switch.2 | length 2598
  Top Layer w40: R_Sens.2@1699.53,2540 R_Sens.2 1795,2540 1846.21,2488.79 R_1_Sens-.1@2399.26,2488.79 ; R_1_Sens-.1 2394.57,2530.31 2580,2715.75 2580,2840 3022,3282 3022,3738 3110,3826 3110,3990 3060,4040 Switch.2
VOUT_SENS: 1.A4 OpAmp1.1 R_fb.2 | length 936.2
  Top Layer w20: R_fb.2@2619.53,2310 2619.53,2374.88 OpAmp1.1 2627.24,2388.19 2599.27,2388.19 2587.56,2399.9 2587.56,2489.21 2626.35,2528 2878,2528 v1(2890,2540)
  Bottom Layer w20: v1(2890,2540) 2898,2532 3098.28,2532 3130,2500.28 3130,2430 1.A4
VSYNC_CAM: 1.D3 "Camera OV7660.VSYNC" | length 1826.7
  Bottom Layer w20: 857.24,1125.39 930.54,1125.39 980,1174.85 980,1210.29 1080,1310.29 1080,1420 1115,1455 1115,1510 1126.14,1521.14 1126.14,1596.43 1161.72,1632 1202.28,1632 1370,1799.72 1370,1823.65 1365.86,1827.79 1365.86,1869.21 1370,1873.36 1370,1906.08 1365.86,1910.22 1365.86,1926.79 1370,1930.93 1370,2402.71 1214.71,2558 1212,2558 1190,2580 1.D3
VSYNC_H: 1.D10 Q6.1 R7.1 R12_LS.1 | length 4837.6
  Top Layer w20: R7.1 576.81,180 576.81,132.44 652.34,132.44 789.9,270 895.56,270 915.56,250 v1@960,250 ; v1(1090,3140) 1090.28,3140 1330,2900.28 1330,2807.28 1360,2777.28 1360,2702.72 1330,2672.72 1330,1600 1290,1560 v1(1290,1490)
  Bottom Layer w20: v1(970,260) 1090,260 1132.44,217.56 ; R12_LS.1 1130,34.57 ; v1(1090,3140) 1090,3235.1 1142.56,3287.66 1142.56,3302.56 1.D10 ; v1(1290,1490) 1290,1440 1228,1378 1228,1357.72 1170,1299.72 1170,1273.02 1074.14,1177.16 1074.14,1021.72 1000,947.57 1000,670 1060,610 1070.56,610 1100.56,580 1158.14,580 1188.14,550 1245.71,550 1275,520.71 1275,479.29 1245.71,450 1204.29,450 1175,420.71 1175,375 1180,370 1132.44,322.44 1132.44,150.02 1137.56,144.9 1137.56,73.53 1130,65.97 1130,34.57 ; Q6.1 1233.57,34.57 1130,34.57
VSYNC_L: OV7670_FIFO.VSYNC Q6.3 R11_LS.1 | length 342.9
  Bottom Layer w20: OV7670_FIFO.VSYNC 1225,335 1209.06,319.06 1174.16,319.06 1162.44,307.34 1162.44,243.53 1170,235.97 1170,220 1185.43,204.57 R11_LS.1 1224.57,190 Q6.3
WR_H: 1.D25 Q10.1 R20_LS.1 | length 467.4
  Bottom Layer w20: R20_LS.1 1290,890 1.D25 1380,950 1424.85,950 1430,944.85 1430,839 Q10.1
WR_L: OV7670_FIFO.WR Q10.3 R19_LS.1 | length 958.3
  Top Layer w20: v1(1710,710) 1770,710 1880,600 v1(1950,600)
  Bottom Layer w20: R19_LS.1 R19_LS.1@1399,620 ; Q10.3@1399,680 R19_LS.1@1399,620 ; v1(1710,710) 1710,720 1660,670 1564.85,670 1544.85,650 1477.57,650 1467.57,640 1419,640 R19_LS.1@1399,620 ; OV7670_FIFO.WR 1960,435 1960,449.29 1975,464.29 1975,575 1957.86,592.14 1950,584.29 v1(1950,600)
WRST_H: 1.D24 Q8.1 R16_LS.1 | length 144.7
  Bottom Layer w20: 1.D24 1380,1155.43 R16_LS.1 ; R16_LS.1@1394.57,1195.57 Q8.1
WRST_L: OV7670_FIFO.WRST Q8.3 R15_LS.1 | length 3462.2
  Top Layer w20: v1(1430,1480) 1420,1480 1400,1500 1410,1510 1650,1510 1760,1400 1784.85,1400 1864.85,1320 1999.72,1320 2140,1179.72 2900.49,1179.72 2963,1117.21 2963,942.79 2917.21,897 2366.43,897 2259.43,790 2210,790 2180,760 2180,460 2120,400 OV7670_FIFO.WRST
  Bottom Layer w20: Q8.3 R15_LS.1@1391,1386.43 ; R15_LS.1 1400,1395.43 1400,1450 v1(1430,1480)
XCLK_CAM: "Camera OV7660.XCLK" R1.2 R2.1 | length 3240
  Bottom Layer w20: R1.2 575.43,1254.57 505,1325 501.36,1325 420,1406.36 420,1770 578,1928 1202.28,1928 1205.28,1925 1275,1994.72 1275,2355.28 1198.28,2432 1157.72,2432 1095,2494.72 1095,3050.15 1030,3115.15 1030,3217.53 1080,3267.53 1080,3282.43 1095,3297.43 R2.1 1095,3320 R2.1@1100,3325 ; R1.2@578.27,1222.84 766.69,1222.84
pads on no net: 1.A0 1.A1 1.A2 1.A5 1.A6 1.A7 1.A8 1.A9 1.A10 1.A11 1.A12 1.A13 1.A14 1.A15 1.AREF 1.D9 1.D12 1.D13 1.D14 1.D15 1.D16 1.D17 1.D18 1.D19 1.D22 1.D27 1.D28 1.D29 1.D38 1.D39 1.D40 1.D41 1.D47 1.D48 1.D49 1.EMPTY 1.GND_BT 1.GND_TR 1.IOREF 1.RESET 1.SCL 1.SDA 1.VIN "1 Screw.0" "2 Screw.0" "3 Screw.0" "4 Screw.0" "Camera OV7660.RSV1" "Camera OV7660.RSV2" "Camera OV7660.RSV3" "GPS Ublox 6M.PPS" "LSM 303.DRDY" "LSM 303.INT1" "LSM 303.INT2" "LSM 303.VIN" "MPU 6050.AD0" "MPU 6050.XCL" "MPU 6050.XDA" "Real Time Clock.BAT" "Real Time Clock.DS2" "Real Time Clock.DS" "Real Time Clock.GND" "Real Time Clock.SCL" "Real Time Clock.SDA" "Real Time Clock.SQ" "Real Time Clock.VCC" HX1.2 Switch.3

## Silkscreen, mask and mechanical layers (free items; w line width, h text height)
Bottom Overlay:
  drawing of 8342 lines, arcs and shapes, not listed
  text "Luis Sanchez Velasco" at 1890,3400 h120 r90
Border Overlay:
  the board outline again, w10
TextTop:
  text "FS100A" at 650.01,4890 h60 r270

## Dimensions
0,-30 to 3190,-20 on Top Overlay
3340,0 to 3290,4930 on Top Overlay

## Text inside footprints (layer, text, board x,y; h text height)
1: Mechanical 8 "29" at 1560,903 h56 r270; Mechanical 8 "27" at 1460,903 h56 r270; Mechanical 8 "25" at 1360,903 h56 r270; Mechanical 8 "23" at 1260,903 h56 r270; Mechanical 8 "ANALOG IN" at 2843,2607.16 h66 r269.98; Mechanical 8 "TX" at 1392,2356.16 h56; Mechanical 8 "RX" at 1391,2256.16 h56; Mechanical 8 "RESET" at 2831,3459.16 h40; Mechanical 8 "3V3" at 2908,3360.16 h40; Mechanical 8 "5V" at 2970,3308.16 h40 r270; Mechanical 8 "VIN" at 2973,3031.16 h40 r270; Mechanical 8 "GND" at 2967,3185.16 h40 r270; Mechanical 8 "0" at 1294,2258 h56; Mechanical 8 "2" at 1262,2454 h56; Mechanical 8 "3" at 1262,2554 h56; Mechanical 8 "4" at 1262,2654 h56; Mechanical 8 "5" at 1262,2754 h56; Mechanical 8 "6" at 1262,2854 h56; Mechanical 8 "7" at 1262,2954 h56; Mechanical 8 "8" at 1262,3104 h56; Mechanical 8 "9" at 1262,3204 h56; Mechanical 8 "10" at 1263,3311 h56; Mechanical 8 "11" at 1263,3411 h56; Mechanical 8 "0" at 2985,2758 h40; Mechanical 8 "2" at 2985,2558 h40; Mechanical 8 "3" at 2985,2458 h40; Mechanical 8 "4" at 2985,2358 h40; Mechanical 8 "5" at 2985,2263 h40; Mechanical 8 "6" at 2985,2163 h40; Mechanical 8 "7" at 2985,2058 h40; Mechanical 8 "SDA" at 1370,1455 h56; Mechanical 8 "SCL" at 1370,1355 h56; Mechanical 8 "8" at 2980,1863.16 h40; Mechanical 8 "9" at 2978,1760.16 h40; Mechanical 8 "10" at 2946,1658.16 h40; Mechanical 8 "11" at 2962,1562.16 h40; Mechanical 8 "12" at 2943,1458.16 h40; Mechanical 8 "13" at 2943,1359.16 h40; Mechanical 8 "14" at 2944,1259.16 h40; Mechanical 8 "15" at 2943,1159.16 h40; Mechanical 8 "TX2" at 1370,1855 h56; Mechanical 8 "RX2" at 1370,1755 h56; Mechanical 8 "RX3" at 1370,1955 h56; Mechanical 8 "TX3" at 1371,2056.16 h56; Mechanical 8 "RX1" at 1370,1555 h56; Mechanical 8 "TX1" at 1370,1655 h56; Mechanical 8 "14" at 1256,2058 h56; Mechanical 8 "16" at 1255,1855 h56; Mechanical 8 "17" at 1255,1755 h56; Mechanical 8 "18" at 1255,1655 h56; Mechanical 8 "19" at 1255,1555 h56; Mechanical 8 "20" at 1255,1455 h56; Mechanical 8 "21" at 1255,1355 h56; Mechanical 8 "5V" at 1075,1183.16 h44 r270; Mechanical 8 "GND" at 2959,941.16 h56 r270; Mechanical 8 "22" at 1256,1245 h56 r270; Mechanical 8 "24" at 1356,1245 h56 r270; Mechanical 8 "26" at 1456,1245 h56 r270; Mechanical 8 "28" at 1556,1245 h56 r270; Mechanical 8 "30" at 1656,1245 h56 r270; Mechanical 8 "31" at 1658,903 h56 r270; Mechanical 8 "32" at 1756,1245 h56 r270; Mechanical 8 "33" at 1758,903 h56 r270; Mechanical 8 "34" at 1856,1245 h56 r270; Mechanical 8 "35" at 1858,903 h56 r270; Mechanical 8 "37" at 1958,903 h56 r270; Mechanical 8 "38" at 2056,1245 h56 r270; Mechanical 8 "39" at 2058,903 h56 r270; Mechanical 8 "41" at 2158,903 h56 r270; Mechanical 8 "40" at 2156,1245 h56 r270; Mechanical 8 "43" at 2258,903 h56 r270; Mechanical 8 "42" at 2256,1245 h56 r270; Mechanical 8 "45" at 2358,903 h56 r270; Mechanical 8 "47" at 2458,903 h56 r270; Mechanical 8 "49" at 2553,903 h56 r270; Mechanical 8 "51" at 2653,903 h56 r270; Mechanical 8 "44" at 2356,1245 h56 r270; Mechanical 8 "46" at 2456,1245 h56 r270; Mechanical 8 "50" at 2656,1245 h56 r270; Mechanical 8 "48" at 2556,1245 h56 r270; Mechanical 8 "53" at 2756,910.16 h56 r270; Mechanical 8 "52" at 2756,1245 h56 r270; Mechanical 8 "DIGITAL" at 1885,1274.16 h66; Mechanical 8 "IOREF" at 2840,3556.16 h40; Mechanical 8 "AREF" at 1259,3816.16 h56; Mechanical 8 "GND" at 1258,3711.16 h56; Mechanical 8 "12" at 1263,3511 h56; Mechanical 8 "13" at 1263,3611 h56; Mechanical 8 "36" at 1956,1245 h56 r270; Mechanical 8 "15" at 1255,1955 h56; Mechanical 8 "PWM" at 1378,3160.16 h66 r270; Mechanical 8 "SCL" at 1261,4017.16 h56; Mechanical 8 "SDA" at 1255.77,3914.46 h56
"4V LiOn": TextBottom "+" at 1620,2530.02 h45.28 r180
"5V to 3.3V": TextTop "ASM1117" at 1851.77,1772.99 h60 r270
"DC to DC(3v to 5V)": TextTop "Vin-" at 1675.75,3126.26 h60 r90; TextTop "Vin+" at 1679.68,2791.61 h60 r90; TextTop "Vout-" at 2644.25,3094.76 h60 r90; TextTop "Vout+" at 2643.27,2749.29 h60 r90; TextTop "Mt3608" at 1983.82,2895.94 h60 r90
OV7670_FIFO: TextTop "1" at 975,350 h60 r180
SD_Reader: Bottom Overlay "SD MODULE" at 2170.01,1380 h60 r270